# KiCad board Skinny Chameleon.kicad_pcb
title: Skinny Chameleon; date: 2024-05-03; rev: v1.00; company: Tweety's Wild Thinking; note: Markus Knutsson <markus.knutsson@tweety.se>; note: https://github.com/TweetyDaBird; note: Licensed under Creative Commons BY-SA 4.0 International
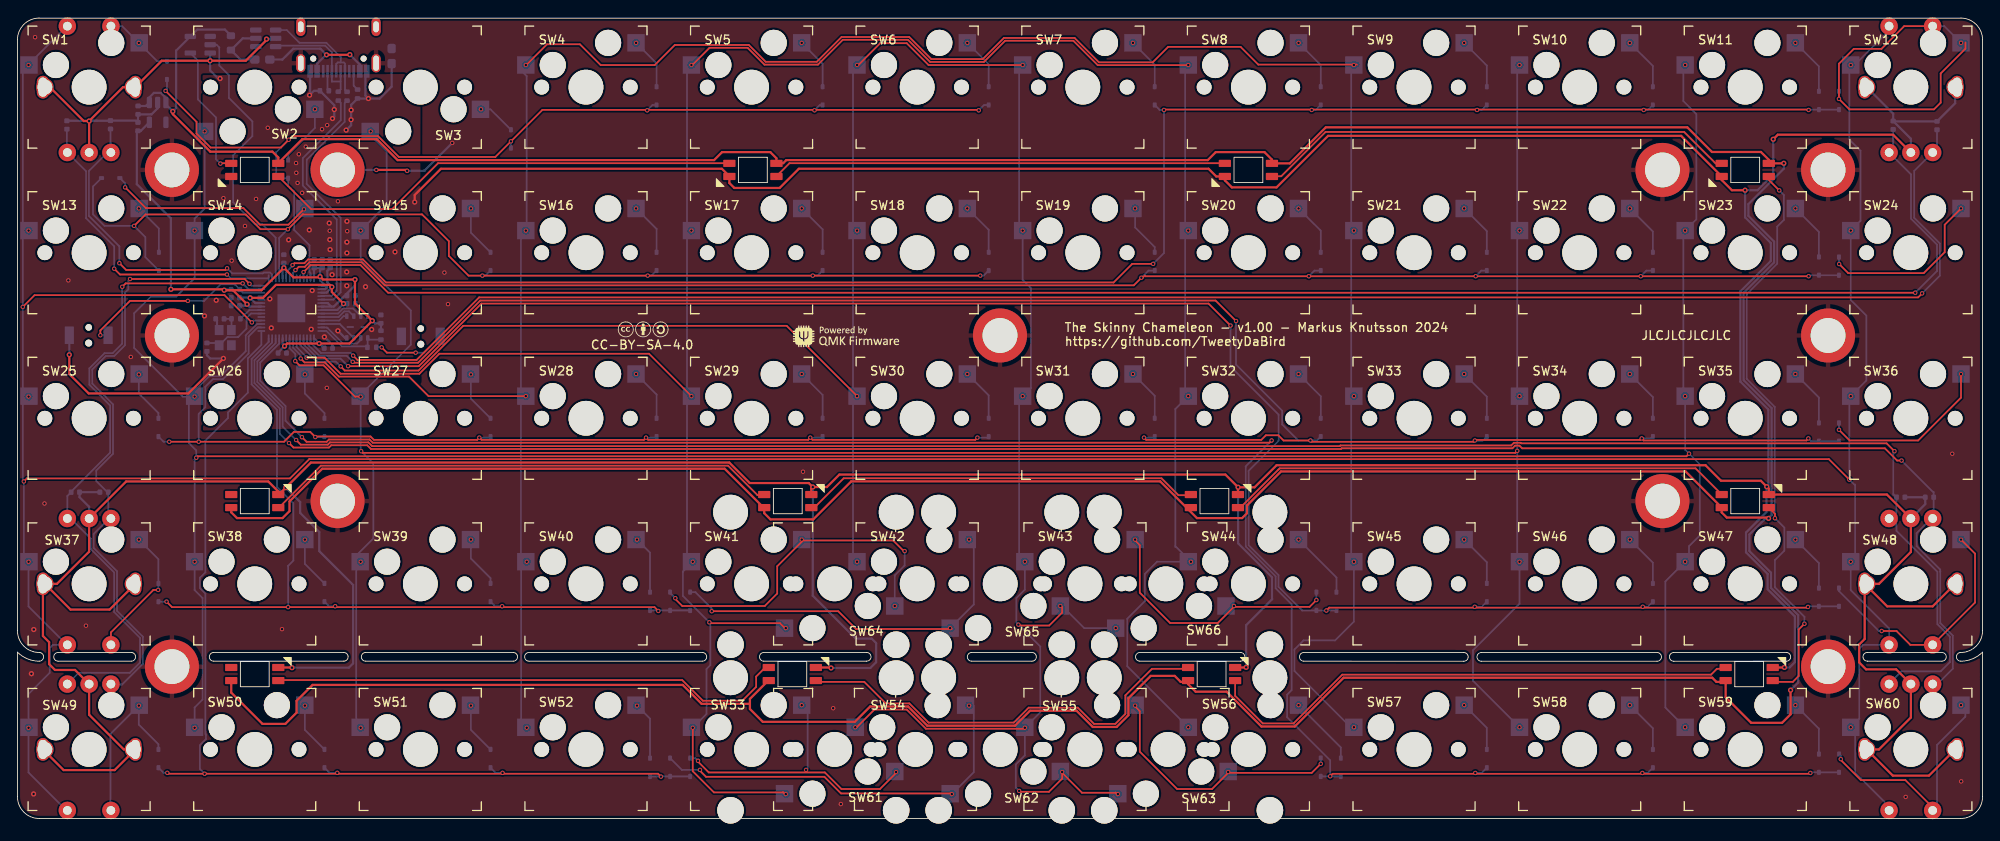
[diagram p0: board, top side]
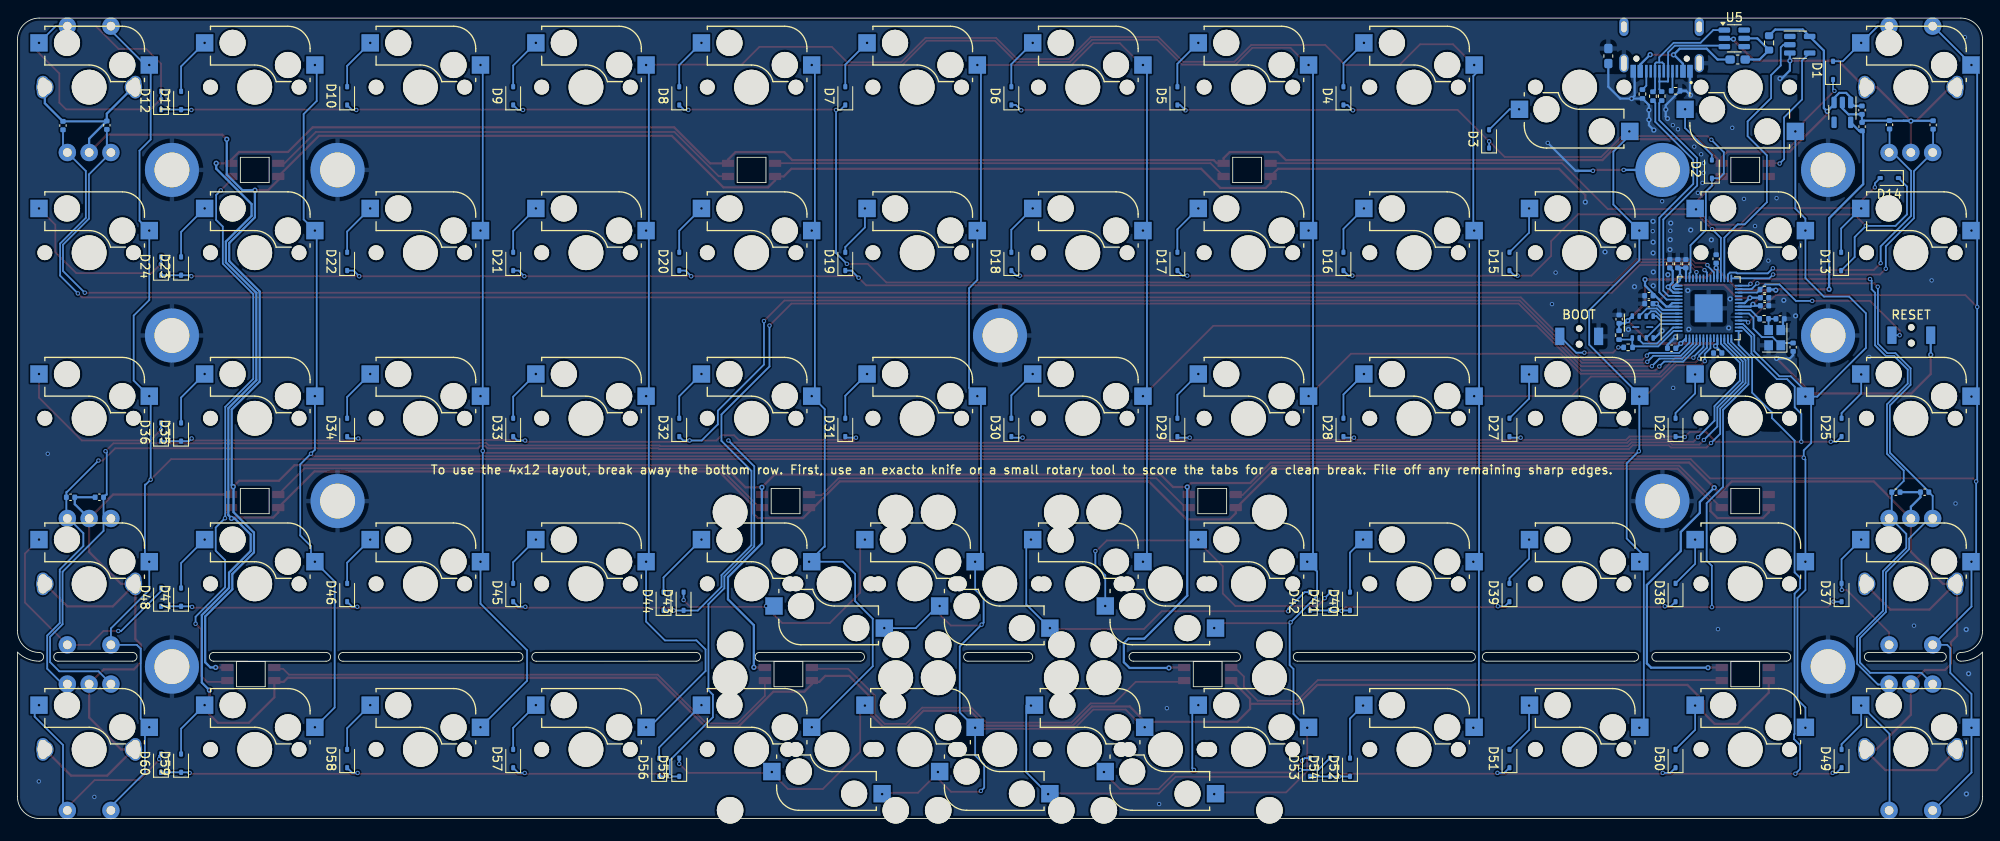
[diagram p1: board, bottom side, seen from below]

Outline 225.45 x 91.85 mm; copper layers: Top, Bottom. Coordinates in mm from the lower left corner of the outline.
Outline path: 2.5,18.05 arc(1.15,18.32) 0,19.09 0,2.5 arc(0.73,0.73) 2.5,0 222.95,0 arc(224.72,0.73) 225.45,2.5 225.45,19.09 arc(224.3,18.32) 222.95,18.05 arc(222.45,18.55) 222.95,19.05 arc(224.72,19.78) 225.45,21.55 225.45,89.35 arc(224.72,91.12) 222.95,91.85 2.5,91.85 arc(0.73,91.12) 0,89.35 0,21.55 arc(0.73,19.78) 2.5,19.05 arc(3,18.55) 2.5,18.05 ; 4.66,18.05 arc(4.16,18.55) 4.66,19.05 13.05,19.05 arc(13.55,18.55) 13.05,18.05 4.66,18.05 ; 22.52,19.05 37.44,19.05 arc(37.94,18.55) 37.44,18.05 22.52,18.05 arc(22.02,18.55) 22.52,19.05 ; 39.95,18.05 arc(39.45,18.55) 39.95,19.05 56.88,19.05 arc(57.38,18.55) 56.88,18.05 39.95,18.05 ; 58.69,18.05 arc(58.19,18.55) 58.69,19.05 78.58,19.05 arc(79.08,18.55) 78.58,18.05 58.69,18.05 ; 85.64,19.05 97.42,19.05 arc(97.92,18.55) 97.42,18.05 85.64,18.05 arc(85.14,18.55) 85.64,19.05 ; 109.48,18.05 arc(108.98,18.55) 109.48,19.05 116.39,19.05 arc(116.89,18.55) 116.39,18.05 109.48,18.05 ; 128.77,19.05 140.31,19.05 arc(140.81,18.55) 140.31,18.05 128.77,18.05 arc(128.27,18.55) 128.77,19.05 ; 147.58,18.05 arc(147.08,18.55) 147.58,19.05 165.94,19.05 arc(166.44,18.55) 165.94,18.05 147.58,18.05 ; 167.95,19.05 188.11,19.05 arc(188.61,18.55) 188.11,18.05 167.95,18.05 arc(167.45,18.55) 167.95,19.05 ; 190.02,18.05 arc(189.52,18.55) 190.02,19.05 202.94,19.05 arc(203.44,18.55) 202.94,18.05 190.02,18.05 ; 212.24,18.05 arc(211.74,18.55) 212.24,19.05 220.79,19.05 arc(221.29,18.55) 220.79,18.05 212.24,18.05
Stack: Top 0.035mm / dielectric 1.51mm FR4 er 4.5 / Bottom 0.035mm

## Placement (name value [footprint] x y rotation side)
C1  1uF  [C_0402_1005Metric]  34.97 63.67 90 bottom
C2  100nF  [C_0402_1005Metric]  30.39 53.42 0 bottom
C3  100nF  [C_0402_1005Metric]  30.56 64.22 90 bottom
C4  100nF  [C_0402_1005Metric]  35.67 53.97 0 bottom
C5  100nF  [C_0402_1005Metric]  38.28 60 0 bottom
C6  100nF  [C_0402_1005Metric]  25.01 58.85 180 bottom
C7  100nF  [C_0402_1005Metric]  34.05 63.67 90 bottom
C8  1uF  [C_0402_1005Metric]  25.01 59.77 180 bottom
C9  100nF  [C_0402_1005Metric]  35.89 63.67 90 bottom
C10  100nF  [C_0402_1005Metric]  38.28 59.08 0 bottom
C11  1uF  [C_0402_1005Metric]  13.84 81.29 270 bottom
C12  1uF  [C_0402_1005Metric]  13.83 79.4 90 bottom
C13  100nF  [C_0402_1005Metric]  41.7 57.31 90 bottom
C14  30pF  [C_0402_1005Metric]  21.73 54.09 270 bottom
C15  30pF  [C_0402_1005Metric]  23.23 57.34 180 bottom
C16  100nF  [C_0402_1005Metric]  5.68 79.59 90 bottom
C17  100nF  [C_0402_1005Metric]  10.68 79.61 270 bottom
C18  100nF  [C_0402_1005Metric]  215.19 79.56 90 bottom
C19  100nF  [C_0402_1005Metric]  220.23 79.52 270 bottom
C20  100nF  [C_0402_1005Metric]  9.95 37.45 180 bottom
C21  100nF  [C_0402_1005Metric]  6.65 37.45 180 bottom
C22  100nF  [C_0402_1005Metric]  219.36 36.87 180 bottom
C23  100nF  [C_0402_1005Metric]  216.05 36.87 180 bottom
D1  1N4148W  [D_SOD-323]  17.16 85.85 90 bottom
D2  1N4148W  [D_SOD-323]  31.06 74.52 90 bottom
D3  1N4148W  [D_SOD-323]  56.61 77.99 90 bottom
D4  1N4148W  [D_SOD-323]  73.33 82.93 90 bottom
D5  1N4148W  [D_SOD-323]  92.38 82.93 90 bottom
D6  1N4148W  [D_SOD-323]  111.42 82.93 90 bottom
D7  1N4148W  [D_SOD-323]  130.48 82.93 90 bottom
D8  1N4148W  [D_SOD-323]  149.52 82.93 90 bottom
D9  1N4148W  [D_SOD-323]  168.57 82.93 90 bottom
D10  1N4148W  [D_SOD-323]  187.62 82.93 90 bottom
D11  1N4148W  [D_SOD-323]  206.68 82.4 90 bottom
D12  1N4148W  [D_SOD-323]  208.98 82.4 90 bottom
D13  1N4148W  [D_SOD-323]  16.23 63.93 90 bottom
D14  1N4148W  [D_SOD-323]  10.7 73.5 0 bottom
D15  1N4148W  [D_SOD-323]  54.28 63.93 90 bottom
D16  1N4148W  [D_SOD-323]  73.33 63.93 90 bottom
D17  1N4148W  [D_SOD-323]  92.38 63.93 90 bottom
D18  1N4148W  [D_SOD-323]  111.42 63.93 90 bottom
D19  1N4148W  [D_SOD-323]  130.48 63.93 90 bottom
D20  1N4148W  [D_SOD-323]  149.52 63.93 90 bottom
D21  1N4148W  [D_SOD-323]  168.57 63.93 90 bottom
D22  1N4148W  [D_SOD-323]  187.62 63.93 90 bottom
D23  1N4148W  [D_SOD-323]  206.68 63.4 90 bottom
D24  1N4148W  [D_SOD-323]  208.98 63.39 90 bottom
D25  1N4148W  [D_SOD-323]  16.18 44.88 90 bottom
D26  1N4148W  [D_SOD-323]  35.23 44.88 90 bottom
D27  1N4148W  [D_SOD-323]  54.28 44.88 90 bottom
D28  1N4148W  [D_SOD-323]  73.33 44.88 90 bottom
D29  1N4148W  [D_SOD-323]  92.38 44.88 90 bottom
D30  1N4148W  [D_SOD-323]  111.42 44.88 90 bottom
D31  1N4148W  [D_SOD-323]  130.48 44.88 90 bottom
D32  1N4148W  [D_SOD-323]  149.52 44.88 90 bottom
D33  1N4148W  [D_SOD-323]  168.57 44.88 90 bottom
D34  1N4148W  [D_SOD-323]  187.62 44.88 90 bottom
D35  1N4148W  [D_SOD-323]  206.68 44.35 90 bottom
D36  1N4148W  [D_SOD-323]  208.98 44.35 90 bottom
D37  1N4148W  [D_SOD-323]  16.18 25.93 90 bottom
D38  1N4148W  [D_SOD-323]  35.23 25.93 90 bottom
D39  1N4148W  [D_SOD-323]  54.28 25.93 90 bottom
D40  1N4148W  [D_SOD-323]  72.58 24.93 90 bottom
D41  1N4148W  [D_SOD-323]  74.88 24.93 90 bottom
D42  1N4148W  [D_SOD-323]  77.17 24.93 90 bottom
D43  1N4148W  [D_SOD-323]  149.02 24.93 90 bottom
D44  1N4148W  [D_SOD-323]  151.32 24.93 90 bottom
D45  1N4148W  [D_SOD-323]  168.57 25.93 90 bottom
D46  1N4148W  [D_SOD-323]  187.62 25.93 90 bottom
D47  1N4148W  [D_SOD-323]  206.68 25.4 90 bottom
D48  1N4148W  [D_SOD-323]  208.98 25.39 90 bottom
D49  1N4148W  [D_SOD-323]  16.18 6.88 90 bottom
D50  1N4148W  [D_SOD-323]  35.23 6.88 90 bottom
D51  1N4148W  [D_SOD-323]  54.28 6.88 90 bottom
D52  1N4148W  [D_SOD-323]  72.58 5.88 90 bottom
D53  1N4148W  [D_SOD-323]  77.17 5.88 90 bottom
D54  1N4148W  [D_SOD-323]  74.88 5.88 90 bottom
D55  1N4148W  [D_SOD-323]  149.52 5.88 90 bottom
D56  1N4148W  [D_SOD-323]  151.82 5.88 90 bottom
D57  1N4148W  [D_SOD-323]  168.57 6.88 90 bottom
D58  1N4148W  [D_SOD-323]  187.62 6.88 90 bottom
D59  1N4148W  [D_SOD-323]  206.68 6.34 90 bottom
D60  1N4148W  [D_SOD-323]  208.99 6.34 90 bottom
ENC1  RotaryEncoder_Switch  [Encoder_Alps_EC11E_Small]  8.23 83.93 90 top  (not fitted)
ENC2  RotaryEncoder_Switch  [Encoder_Alps_EC11E_Small]  217.23 83.93 90 top  (not fitted)
ENC3  RotaryEncoder_Switch  [Encoder_Alps_EC11E_Small]  8.23 26.93 270 top  (not fitted)
ENC4  RotaryEncoder_Switch  [Encoder_Alps_EC11E_Small]  217.23 26.93 270 top  (not fitted)
ENC5  RotaryEncoder_Switch  [Encoder_Alps_EC11E_Small]  8.23 7.93 270 top  (not fitted)
ENC6  RotaryEncoder_Switch  [Encoder_Alps_EC11E_Small]  217.23 7.93 270 top  (not fitted)
F1  0603L050/6AR  [R_0603_1608Metric]  24.5 89.01 90 bottom
FB1  BLM18SG700TZ1D  [C_0603_1608Metric_Pad1.08x0.95mm_HandSolder]  28.09 87.1 180 bottom
FB2  BLM18SG700TZ1D  [C_0603_1608Metric_Pad1.08x0.95mm_HandSolder]  42.94 87.5 270 bottom
H1  Spacer_PCB  [Planck Spacer]  17.73 55.43 0 top  (not fitted)
H2  Spacer_PCB  [Planck Spacer]  17.73 17.43 0 top  (not fitted)
H4  Spacer_PCB  [Planck Spacer]  207.73 55.43 0 top  (not fitted)
H5  Spacer_PCB  [Planck Spacer]  207.73 17.43 0 top  (not fitted)
H6  Spacer_PCB  [Planck Spacer]  17.73 74.43 0 top  (not fitted)
H7  Spacer_PCB  [Planck Spacer]  207.73 74.43 0 top  (not fitted)
H9  Spacer_PCB  [Planck Spacer]  112.73 55.43 0 top  (not fitted)
H11  Spacer_PCB  [Planck Spacer]  188.73 74.43 0 top  (not fitted)
H12  Spacer_PCB  [Planck Spacer]  188.73 36.43 0 top  (not fitted)
H13  Spacer_PCB  [Planck Spacer]  36.73 36.43 0 top  (not fitted)
H14  Spacer_PCB  [Planck Spacer]  36.73 74.43 0 top  (not fitted)
Logo1  CC-BY-SA-4.0  [CC_BY_SA_40_tiny]  71.78 56.13 0 top  (not fitted)
Logo2  QMK_Logo  [Powered_by_QMK]  95.09 55.34 0 top  (not fitted)
R1  5.1K  [R_0402_1005Metric]  35.22 83.51 0 bottom
R2  5.1K  [R_0402_1005Metric]  39.03 83.14 270 bottom
R3  10K  [R_0402_1005Metric]  25.02 60.7 0 bottom
R4  1K  [R_0402_1005Metric]  40.67 54.07 0 bottom
R5  27R  [R_0402_1005Metric]  37.81 82.89 90 bottom
R6  27R  [R_0402_1005Metric]  36.81 82.9 90 bottom
R7  10K  [R_0402_1005Metric]  41.7 55.47 270 bottom
R10  1K  [R_0402_1005Metric]  25.07 57.35 180 bottom
RGB1  SK6812MINI-E  [RGB_SK6812MINI-E]  27.23 74.43 180 bottom  (not fitted)
RGB2  SK6812MINI-E  [RGB_SK6812MINI-E]  84.38 74.43 180 bottom  (not fitted)
RGB3  SK6812MINI-E  [RGB_SK6812MINI-E]  141.23 74.43 180 bottom  (not fitted)
RGB4  SK6812MINI-E  [RGB_SK6812MINI-E]  198.23 74.43 180 bottom  (not fitted)
RGB5  SK6812MINI-E  [RGB_SK6812MINI-E]  198.23 36.43 0 bottom  (not fitted)
RGB6  SK6812MINI-E  [RGB_SK6812MINI-E]  137.32 36.43 0 bottom  (not fitted)
RGB7  SK6812MINI-E  [RGB_SK6812MINI-E]  88.38 36.43 0 bottom  (not fitted)
RGB8  SK6812MINI-E  [RGB_SK6812MINI-E]  27.23 36.43 0 bottom  (not fitted)
RGB9  SK6812MINI-E  [RGB_SK6812MINI-E]  198.68 16.58 0 bottom  (not fitted)
RGB10  SK6812MINI-E  [RGB_SK6812MINI-E]  137 16.58 0 bottom  (not fitted)
RGB11  SK6812MINI-E  [RGB_SK6812MINI-E]  88.9 16.58 0 bottom  (not fitted)
RGB12  SK6812MINI-E  [RGB_SK6812MINI-E]  27.23 16.58 0 bottom  (not fitted)
ST1  Stabilizer_2u_MX  [Stabilizer_Cherry_MX_2.00u]  112.75 7.93 180 top  (not fitted)
ST2  Stabilizer_2u_MX  [Stabilizer_Cherry_MX_2.00u]  93.75 7.93 180 top  (not fitted)
ST3  Stabilizer_2u_MX  [Stabilizer_Cherry_MX_2.00u]  131.75 7.93 180 top  (not fitted)
ST4  Stabilizer_2u_MX  [Stabilizer_Cherry_MX_2.00u]  93.75 26.93 180 top  (not fitted)
ST5  Stabilizer_2u_MX  [Stabilizer_Cherry_MX_2.00u]  112.75 26.93 180 top  (not fitted)
ST6  Stabilizer_2u_MX  [Stabilizer_Cherry_MX_2.00u]  131.75 26.93 180 top  (not fitted)
SW1  ~  [SW_MX_HotSwap_FOR ENCODER]  8.23 83.93 0 top  (not fitted)
SW2  PG151101S11  [SW_MX_HotSwap]  27.23 83.93 180 top
SW3  PG151101S11  [SW_MX_HotSwap]  46.23 83.93 180 top
SW4  PG151101S11  [SW_MX_HotSwap]  65.23 83.93 0 top
SW5  PG151101S11  [SW_MX_HotSwap]  84.23 83.93 0 top
SW6  PG151101S11  [SW_MX_HotSwap]  103.23 83.93 0 top
SW7  PG151101S11  [SW_MX_HotSwap]  122.23 83.93 0 top
SW8  PG151101S11  [SW_MX_HotSwap]  141.23 83.93 0 top
SW9  PG151101S11  [SW_MX_HotSwap]  160.23 83.93 0 top
SW10  PG151101S11  [SW_MX_HotSwap]  179.23 83.93 0 top
SW11  PG151101S11  [SW_MX_HotSwap]  198.23 83.93 0 top
SW12  ~  [SW_MX_HotSwap_FOR ENCODER]  217.23 83.93 0 top  (not fitted)
SW13  PG151101S11  [SW_MX_HotSwap]  8.23 64.93 0 top
SW14  PG151101S11  [SW_MX_HotSwap]  27.23 64.93 0 top
SW15  PG151101S11  [SW_MX_HotSwap]  46.23 64.93 0 top
SW16  PG151101S11  [SW_MX_HotSwap]  65.23 64.93 0 top
SW17  PG151101S11  [SW_MX_HotSwap]  84.23 64.93 0 top
SW18  PG151101S11  [SW_MX_HotSwap]  103.23 64.93 0 top
SW19  PG151101S11  [SW_MX_HotSwap]  122.23 64.93 0 top
SW20  PG151101S11  [SW_MX_HotSwap]  141.23 64.93 0 top
SW21  PG151101S11  [SW_MX_HotSwap]  160.23 64.93 0 top
SW22  PG151101S11  [SW_MX_HotSwap]  179.23 64.93 0 top
SW23  PG151101S11  [SW_MX_HotSwap]  198.23 64.93 0 top
SW24  PG151101S11  [SW_MX_HotSwap]  217.23 64.93 0 top
SW25  PG151101S11  [SW_MX_HotSwap]  8.23 45.93 0 top
SW26  PG151101S11  [SW_MX_HotSwap]  27.23 45.93 0 top
SW27  PG151101S11  [SW_MX_HotSwap]  46.23 45.93 0 top
SW28  PG151101S11  [SW_MX_HotSwap]  65.23 45.93 0 top
SW29  PG151101S11  [SW_MX_HotSwap]  84.23 45.93 0 top
SW30  PG151101S11  [SW_MX_HotSwap]  103.23 45.93 0 top
SW31  PG151101S11  [SW_MX_HotSwap]  122.23 45.93 0 top
SW32  PG151101S11  [SW_MX_HotSwap]  141.23 45.93 0 top
SW33  PG151101S11  [SW_MX_HotSwap]  160.23 45.93 0 top
SW34  PG151101S11  [SW_MX_HotSwap]  179.23 45.93 0 top
SW35  PG151101S11  [SW_MX_HotSwap]  198.23 45.93 0 top
SW36  PG151101S11  [SW_MX_HotSwap]  217.23 45.93 0 top
SW37  ~  [SW_MX_HotSwap_FOR ENCODER]  8.23 26.93 0 top  (not fitted)
SW38  PG151101S11  [SW_MX_HotSwap]  27.23 26.93 0 top
SW39  PG151101S11  [SW_MX_HotSwap]  46.23 26.93 0 top
SW40  PG151101S11  [SW_MX_HotSwap]  65.23 26.93 0 top
SW41  PG151101S11  [SW_MX_HotSwap]  84.23 26.93 0 top
SW42  PG151101S11  [SW_MX_HotSwap]  103.23 26.93 0 top
SW43  PG151101S11  [SW_MX_HotSwap]  122.48 26.93 0 top
SW44  PG151101S11  [SW_MX_HotSwap]  141.23 26.93 0 top
SW45  PG151101S11  [SW_MX_HotSwap]  160.23 26.93 0 top
SW46  PG151101S11  [SW_MX_HotSwap]  179.23 26.93 0 top
SW47  PG151101S11  [SW_MX_HotSwap]  198.23 26.93 0 top
SW48  ~  [SW_MX_HotSwap_FOR ENCODER]  217.23 26.93 0 top  (not fitted)
SW49  ~  [SW_MX_HotSwap_FOR ENCODER]  8.23 7.93 0 top  (not fitted)
SW50  PG151101S11  [SW_MX_HotSwap]  27.23 7.93 0 top
SW51  PG151101S11  [SW_MX_HotSwap]  46.23 7.93 0 top
SW52  PG151101S11  [SW_MX_HotSwap]  65.23 7.93 0 top
SW53  PG151101S11  [SW_MX_HotSwap]  84.23 7.93 0 top
SW54  PG151101S11  [SW_MX_HotSwap]  103.02 7.93 0 top
SW55  PG151101S11  [SW_MX_HotSwap]  122.48 7.93 0 top
SW56  PG151101S11  [SW_MX_HotSwap]  141.23 7.93 0 top
SW57  PG151101S11  [SW_MX_HotSwap]  160.23 7.93 0 top
SW58  PG151101S11  [SW_MX_HotSwap]  179.23 7.93 0 top
SW59  PG151101S11  [SW_MX_HotSwap]  198.23 7.93 0 top
SW60  ~  [SW_MX_HotSwap_FOR ENCODER]  217.23 7.93 0 top  (not fitted)
SW61  PG151101S11  [SW_MX_HotSwap]  93.75 7.93 180 top
SW62  PG151101S11  [SW_MX_HotSwap]  112.75 7.93 180 top
SW63  PG151101S11  [SW_MX_HotSwap]  132 7.93 180 top
SW64  PG151101S11  [SW_MX_HotSwap]  93.75 26.93 180 top
SW65  PG151101S11  [SW_MX_HotSwap]  112.75 26.93 180 top
SW66  PG151101S11  [SW_MX_HotSwap]  131.75 26.93 180 top
SW67  -  [YTSA010]  8.18 55.46 0 bottom
SW68  -  [YTSA010]  46.28 55.33 0 bottom
U1  SPX3819M5-L-3-3/TR  [SOT-23-5]  16.09 81.03 270 bottom
U2  W25Q32JVUUIQ  [USON-8_4x3mm_P0.8mm]  38.98 56.4 90 bottom
U3  RP2040  [QFN-56-1EP_7x7mm_P0.4mm_EP3.2x3.2mm]  31.42 58.55 90 bottom
U4  SN74LV1T34DBV  [SOT-23-5]  20.98 88.8 180 bottom
U5  SRV05-4  [SOT-23-6]  28.48 89.53 180 bottom
USB1  USB_C_Receptacle_USB2.0  [HRO_TYPE-C-31-M-12]  36.83 90.85 0 bottom
Y1  TXM12M0004252LBCEO00T  [Crystal_SMD_2520-4Pin_2.5x2.0mm]  23.84 55.18 90 bottom

## Library data of the parts
C1 C8 C11 C12 = -: LCSC Part #: C52923; ki_fp_filters: C_*
C2-C7 C9 C10 C13 C16-C23 = -: LCSC Part #: C1525; ki_fp_filters: C_*
C14 C15 = -: LCSC Part #: C1570; ki_fp_filters: C_*
D1-D60 = -: Datasheet: https://www.vishay.com/docs/85748/1n4148w.pdf; LCSC Part #: C2128; ki_fp_filters: D*SOD?123*
ENC1-ENC6 = -: ki_fp_filters: RotaryEncoder*Switch*
F1 = -: LCSC Part #: C163116; ki_fp_filters: *polyfuse* *PTC*
FB1 FB2 = -: LCSC Part #: C1002; ki_fp_filters: Inductor_* L_* *Ferrite*
R1 R2 = -: LCSC Part #: C25905; ki_fp_filters: R_*
R3 R7 = -: LCSC Part #: C25744; ki_fp_filters: R_*
R4 R10 = -: LCSC Part #: C11702; ki_fp_filters: R_*
R5 R6 = -: LCSC Part #: C321419; ki_fp_filters: R_*
RGB1-RGB12 = -: Datasheet: https://cdn-shop.adafruit.com/product-files/2686/SK6812MINI_REV.01-1-2.pdf; Field5: 1; ki_fp_filters: LED*SK6812MINI*PLCC*3.5x3.5mm*P1.75mm*
SW2-SW11 SW13-SW36 SW38-SW47 SW50-SW59 SW61-SW66 = -: LCSC Part #: C2803348
SW67 SW68 = -: LCSC Part #: C967783
U1 = -: Datasheet: https://www.exar.com/content/document.ashx?id=22106&languageid=1033&type=Datasheet&partnumber=SPX3819&filename=SPX3819.pdf&part=SPX3819; LCSC Part #: C9055; ki_fp_filters: SOT?23*
U2 = -: Datasheet: http://www.winbond.com/resource-files/w25q32jv%20revg%2003272018%20plus.pdf; LCSC Part #: C2999380; ki_fp_filters: SOIC*5.23x5.23mm*P1.27mm*
U3 = -: Datasheet: https://datasheets.raspberrypi.com/rp2040/rp2040-datasheet.pdf; LCSC Part #: C2040; ki_fp_filters: QFN*1EP*7x7mm?P0.4mm*
U4 = -: Datasheet: https://www.ti.com/lit/ds/symlink/sn74lv1t34.pdf; LCSC Part #: C100024; ki_fp_filters: SOT?23*
U5 = -: Datasheet: http://www.onsemi.com/pub/Collateral/SRV05-4-D.PDF; LCSC Part #: C20615829; ki_fp_filters: SOT?23*
USB1 = -: Datasheet: https://www.usb.org/sites/default/files/documents/usb_type-c.zip; LCSC Part #: C165948; ki_fp_filters: USB*C*Receptacle*
Y1 = -: LCSC Part #: C284156; ki_fp_filters: Crystal*

## Footprints (pads in the part's own frame, mm; a bottom-side part is the same pattern mirrored in y, then rotated)
C_0402_1005Metric
  rrect 0.56x0.62 smd: 1(-0.48,0) 2(0.48,0)
C_0603_1608Metric_Pad1.08x0.95mm_HandSolder
  rrect 1.075x0.95 smd: 1(-0.863,0) 2(0.863,0)
Crystal_SMD_2520-4Pin_2.5x2.0mm
  rect 1.15x1 smd: 1(-0.875,-0.7) 2(0.875,-0.7) 3(0.875,0.7) 4(-0.875,0.7)
D_SOD-323
  rrect 0.6x0.45 smd: 1(-1.05,0) 2(1.05,0)
Encoder_Alps_EC11E_Small
  round 2 hole 1: A(-7.5,2.5) B(-7.5,-2.5) C(-7.5,0) S1(7,-2.5) S2(7,2.5)
  oval 2.6x1.4 hole 2.2x1: MP1(0,5.3) MP2(0,-5.3)
HRO_TYPE-C-31-M-12
  round 0.7 hole 0.7 unplated: (-2.89,3.65) (2.89,3.65)
  rect 0.6x1.45 smd: A1(-3.25,5.095) A4(-2.45,5.095) A9(2.45,5.095) A12(3.25,5.095) B1(-3.25,5.095) B4(-2.45,5.095) B9(2.45,5.095) B12(3.25,5.095)
  rect 0.3x1.45 smd: A5(-1.25,5.095) A6(-0.25,5.095) A7(0.25,5.095) A8(1.25,5.095) B5(1.75,5.095) B6(0.75,5.095) B7(-0.75,5.095) B8(-1.75,5.095)
  oval 1.05x2.1 hole 0.65x1.75: S1(-4.32,4.18) S1(4.32,4.18)
  oval 1.05x2.1 hole 0.65x1.25: S2(-4.32,0) S2(4.32,0)
Planck Spacer
  round 6.2 hole 4: 1(0,0)
QFN-56-1EP_7x7mm_P0.4mm_EP3.2x3.2mm
  rrect 1.29x1.29 smd: (-0.8,-0.8) (-0.8,0.8) (0.8,-0.8) (0.8,0.8)
  rrect 0.875x0.2 smd: 1(-3.438,2.6) 2(-3.438,2.2) 3(-3.438,1.8) 4(-3.438,1.4) 5(-3.438,1) 6(-3.438,0.6) 7(-3.438,0.2) 8(-3.438,-0.2) 9(-3.438,-0.6) 10(-3.438,-1) 11(-3.438,-1.4) 12(-3.438,-1.8) 13(-3.438,-2.2) 14(-3.438,-2.6) 29(3.438,-2.6) 30(3.438,-2.2) 31(3.438,-1.8) 32(3.438,-1.4) 33(3.438,-1) 34(3.438,-0.6) 35(3.438,-0.2) 36(3.438,0.2) 37(3.438,0.6) 38(3.438,1) 39(3.438,1.4) 40(3.438,1.8) 41(3.438,2.2) 42(3.438,2.6)
  rrect 0.2x0.875 smd: 15(-2.6,-3.438) 16(-2.2,-3.438) 17(-1.8,-3.438) 18(-1.4,-3.438) 19(-1,-3.438) 20(-0.6,-3.438) 21(-0.2,-3.438) 22(0.2,-3.438) 23(0.6,-3.438) 24(1,-3.438) 25(1.4,-3.438) 26(1.8,-3.438) 27(2.2,-3.438) 28(2.6,-3.438) 43(2.6,3.438) 44(2.2,3.438) 45(1.8,3.438) 46(1.4,3.438) 47(1,3.438) 48(0.6,3.438) 49(0.2,3.438) 50(-0.2,3.438) 51(-0.6,3.438) 52(-1,3.438) 53(-1.4,3.438) 54(-1.8,3.438) 55(-2.2,3.438) 56(-2.6,3.438)
  rect 3.2x3.2 smd: 57(0,0)
R_0402_1005Metric
  rrect 0.54x0.64 smd: 1(-0.51,0) 2(0.51,0)
R_0603_1608Metric
  rrect 0.8x0.95 smd: 1(-0.825,0) 2(0.825,0)
RGB_SK6812MINI-E
  rrect 1.4x0.82 smd far side: 1(-2.7,0.75) 2(-2.7,-0.75) 3(2.7,-0.75) 4(2.7,0.75)
SOT-23-5
  rrect 1.325x0.6 smd: 1(-1.137,0.95) 2(-1.137,0) 3(-1.137,-0.95) 4(1.137,-0.95) 5(1.137,0.95)
SOT-23-6
  rrect 1.325x0.6 smd: 1(-1.137,0.95) 2(-1.137,0) 3(-1.137,-0.95) 4(1.137,-0.95) 5(1.137,0) 6(1.137,0.95)
Stabilizer_Cherry_MX_2.00u
  round 3.048 hole 3.048 unplated: (-11.938,6.985) (11.938,6.985)
  round 3.988 hole 3.988 unplated: (-11.938,-8.225) (11.938,-8.225)
SW_MX_HotSwap
  round 1.702 hole 1.702 unplated: (-5.08,0) (5.08,0)
  round 3 hole 3 unplated: (-3.81,2.54) (2.54,5.08)
  round 3.988 hole 3.988 unplated: (0,0)
  rect 2x2 smd far side: 1(-6.9,2.54) 2(5.75,5.08)
SW_MX_HotSwap_FOR ENCODER
  round 3 hole 3 unplated: (-3.81,2.54) (2.54,5.08)
  round 3.988 hole 3.988 unplated: (0,0)
  rect 2x2 smd far side: 1(-6.9,2.54) 2(5.75,5.08)
  round 2 hole 1.702: 3(-5.08,0) 3(5.08,0)
USON-8_4x3mm_P0.8mm
  rrect 0.75x1.21 smd: (0,-0.8) (0,0.8)
  rrect 0.65x0.4 smd: 1(-1.25,1.2) 2(-1.25,0.4) 3(-1.25,-0.4) 4(-1.25,-1.2) 5(1.25,-1.2) 6(1.25,-0.4) 7(1.25,0.4) 8(1.25,1.2)
  rect 0.2x0.8 smd: 9(0,-0.8) 9(0,0.8)
YTSA010
  round 0.75 hole 0.8 unplated: (0,-0.9)
  round 0.8 hole 0.8 unplated: (0,0.9)
  rect 1.05x2 smd: 1(-2.225,0) 2(2.225,0)

## Nets
+1V1: C8.1 C9.1 C10.1 U3.23 U3.45 U3.50
+3V3: C1.1 C2.1 C3.1 C4.1 C5.1 C6.1 C7.1 C12.1 C13.1 R3.1 R7.1 U1.5 U2.8 U3.1 U3.10 U3.22 U3.33 U3.42 U3.43 U3.44 U3.48 U3.49
+5V: C11.1 F1.2 RGB1.1 RGB2.1 RGB3.1 RGB4.1 RGB5.1 RGB6.1 RGB7.1 RGB8.1 RGB9.1 RGB10.1 RGB11.1 RGB12.1 U1.1 U1.3 U4.5
GND: C1.2 C2.2 C3.2 C4.2 C5.2 C6.2 C7.2 C8.2 C9.2 C10.2 C11.2 C12.2 C13.2 C14.2 C15.2 C16.2 C17.1 C18.2 C19.1 C20.2 C21.1 C22.2 C23.1 ENC1.C ENC1.MP1 ENC1.MP2 ENC2.C ENC2.MP1 ENC2.MP2 ENC3.C ENC3.MP1 ENC3.MP2 ENC4.C ENC4.MP1 ENC4.MP2 ENC5.C ENC5.MP1 ENC5.MP2 ENC6.C ENC6.MP1 ENC6.MP2 FB2.2 R1.1 R2.2 RGB1.3 RGB2.3 RGB3.3 RGB4.3 RGB5.3 RGB6.3 RGB7.3 RGB8.3 RGB9.3 RGB10.3 RGB11.3 RGB12.3 SW1.3 SW12.3 SW37.3 SW48.3 SW49.3 SW60.3 SW67.1 SW68.1 U1.2 U2.4 U3.19 U3.57 U4.3 U5.2 USB1.A1 USB1.A12 USB1.B1 USB1.B12 Y1.2 Y1.4
VBUS: F1.1 FB1.2 U5.5
/DN: R6.1 U3.46
/DP: R5.1 U3.47
Col_0: ENC1.S2 ENC2.S2 ENC3.S1 ENC4.S1 ENC5.S1 ENC6.S1 SW1.1 SW12.1 SW13.1 SW24.1 SW25.1 SW36.1 SW37.1 SW48.1 SW49.1 SW60.1 U3.18
Col_1: SW2.2 SW11.1 SW14.1 SW23.1 SW26.1 SW35.1 SW38.1 SW47.1 SW50.1 SW59.1 U3.17
Col_2: SW3.2 SW10.1 SW15.1 SW22.1 SW27.1 SW34.1 SW39.1 SW46.1 SW51.1 SW58.1 U3.8
Col_3: SW4.1 SW9.1 SW16.1 SW21.1 SW28.1 SW33.1 SW40.1 SW45.1 SW52.1 SW57.1 U3.7
Col_4: SW5.1 SW8.1 SW17.1 SW20.1 SW29.1 SW32.1 SW41.1 SW44.1 SW53.1 SW56.1 SW61.2 SW64.2 U3.6
Col_5: SW6.1 SW7.1 SW18.1 SW19.1 SW30.1 SW31.1 SW42.1 SW43.1 SW54.1 SW55.1 SW62.1 SW63.2 SW65.1 SW66.2 U3.5
D+: R5.2 U5.1 USB1.A6 USB1.B6
D-: R6.2 U5.3 USB1.A7 USB1.B7
Earth_Protective: FB2.1 H1.1 H2.1 H4.1 H5.1 H6.1 H7.1 H9.1 H11.1 H12.1 H13.1 H14.1 USB1.S1
ENC1: D1.2 ENC1.S1 SW1.2
ENC1_A: C16.1 ENC1.A U3.29
ENC1_B: C17.2 ENC1.B U3.30
ENC2: D12.2 ENC2.S1 SW12.2
ENC2_A: C18.1 ENC2.A U3.39
ENC2_B: C19.2 ENC2.B U3.2
ENC3: D37.2 ENC3.S2 SW37.2
ENC3_A: C20.1 ENC3.A ENC5.A U3.28
ENC3_B: C21.2 ENC3.B ENC5.B U3.27
ENC4: D48.2 ENC4.S2 SW48.2
ENC4_A: C22.1 ENC4.A ENC6.A U3.13
ENC4_B: C23.2 ENC4.B ENC6.B U3.12
ENC5: D49.2 ENC5.S2 SW49.2
ENC6: D60.2 ENC6.S2 SW60.2
RGB: U3.31 U4.2
Row_0: D1.1 D2.1 D3.1 D4.1 D5.1 D6.1 U3.41
Row_1: D7.1 D8.1 D9.1 D10.1 D11.1 D12.1 U3.34
Row_2: D13.1 D14.1 D15.1 D16.1 D17.1 D18.1 U3.32
Row_3: D19.1 D20.1 D21.1 D22.1 D23.1 D24.1 U3.36
Row_4: D25.1 D26.1 D27.1 D28.1 D29.1 D30.1 U3.16
Row_5: D31.1 D32.1 D33.1 D34.1 D35.1 D36.1 U3.3
Row_6: D37.1 D38.1 D39.1 D40.1 D41.1 D42.1 U3.14
Row_7: D43.1 D44.1 D45.1 D46.1 D47.1 D48.1 U3.4
Row_8: D49.1 D50.1 D51.1 D52.1 D53.1 D54.1 U3.15
Row_9: D55.1 D56.1 D57.1 D58.1 D59.1 D60.1 U3.11
Net-(C15-Pad1): C15.1 R10.2 Y1.3
Net-(D2-A): D2.2 SW2.1
Net-(D3-A): D3.2 SW3.1
Net-(D4-A): D4.2 SW4.2
Net-(D5-A): D5.2 SW5.2
Net-(D6-A): D6.2 SW6.2
Net-(D7-A): D7.2 SW7.2
Net-(D8-A): D8.2 SW8.2
Net-(D9-A): D9.2 SW9.2
Net-(D10-A): D10.2 SW10.2
Net-(D11-A): D11.2 SW11.2
Net-(D13-A): D13.2 SW13.2
Net-(D14-A): D14.2 SW14.2
Net-(D15-A): D15.2 SW15.2
Net-(D16-A): D16.2 SW16.2
Net-(D17-A): D17.2 SW17.2
Net-(D18-A): D18.2 SW18.2
Net-(D19-A): D19.2 SW19.2
Net-(D20-A): D20.2 SW20.2
Net-(D21-A): D21.2 SW21.2
Net-(D22-A): D22.2 SW22.2
Net-(D23-A): D23.2 SW23.2
Net-(D24-A): D24.2 SW24.2
Net-(D25-A): D25.2 SW25.2
Net-(D26-A): D26.2 SW26.2
Net-(D27-A): D27.2 SW27.2
Net-(D28-A): D28.2 SW28.2
Net-(D29-A): D29.2 SW29.2
Net-(D30-A): D30.2 SW30.2
Net-(D31-A): D31.2 SW31.2
Net-(D32-A): D32.2 SW32.2
Net-(D33-A): D33.2 SW33.2
Net-(D34-A): D34.2 SW34.2